# Altium PCB PCB_Kasli.PCBDOC (part 16 of 16)
Units mm, origin at the board's own origin, x right, y up, seen from the top; angles counter-clockwise.
Board outline 200.3 x 100 mm, 6 copper layers (TopLayer, MidLayer1, MidLayer2, SignalLayer1, Internal Plane 1, BottomLayer), stack 1.528 mm thick; 775 components, 636 nets, 3136 pads, 1724 vias.
Unrouted connection lines stored in the file: 7.
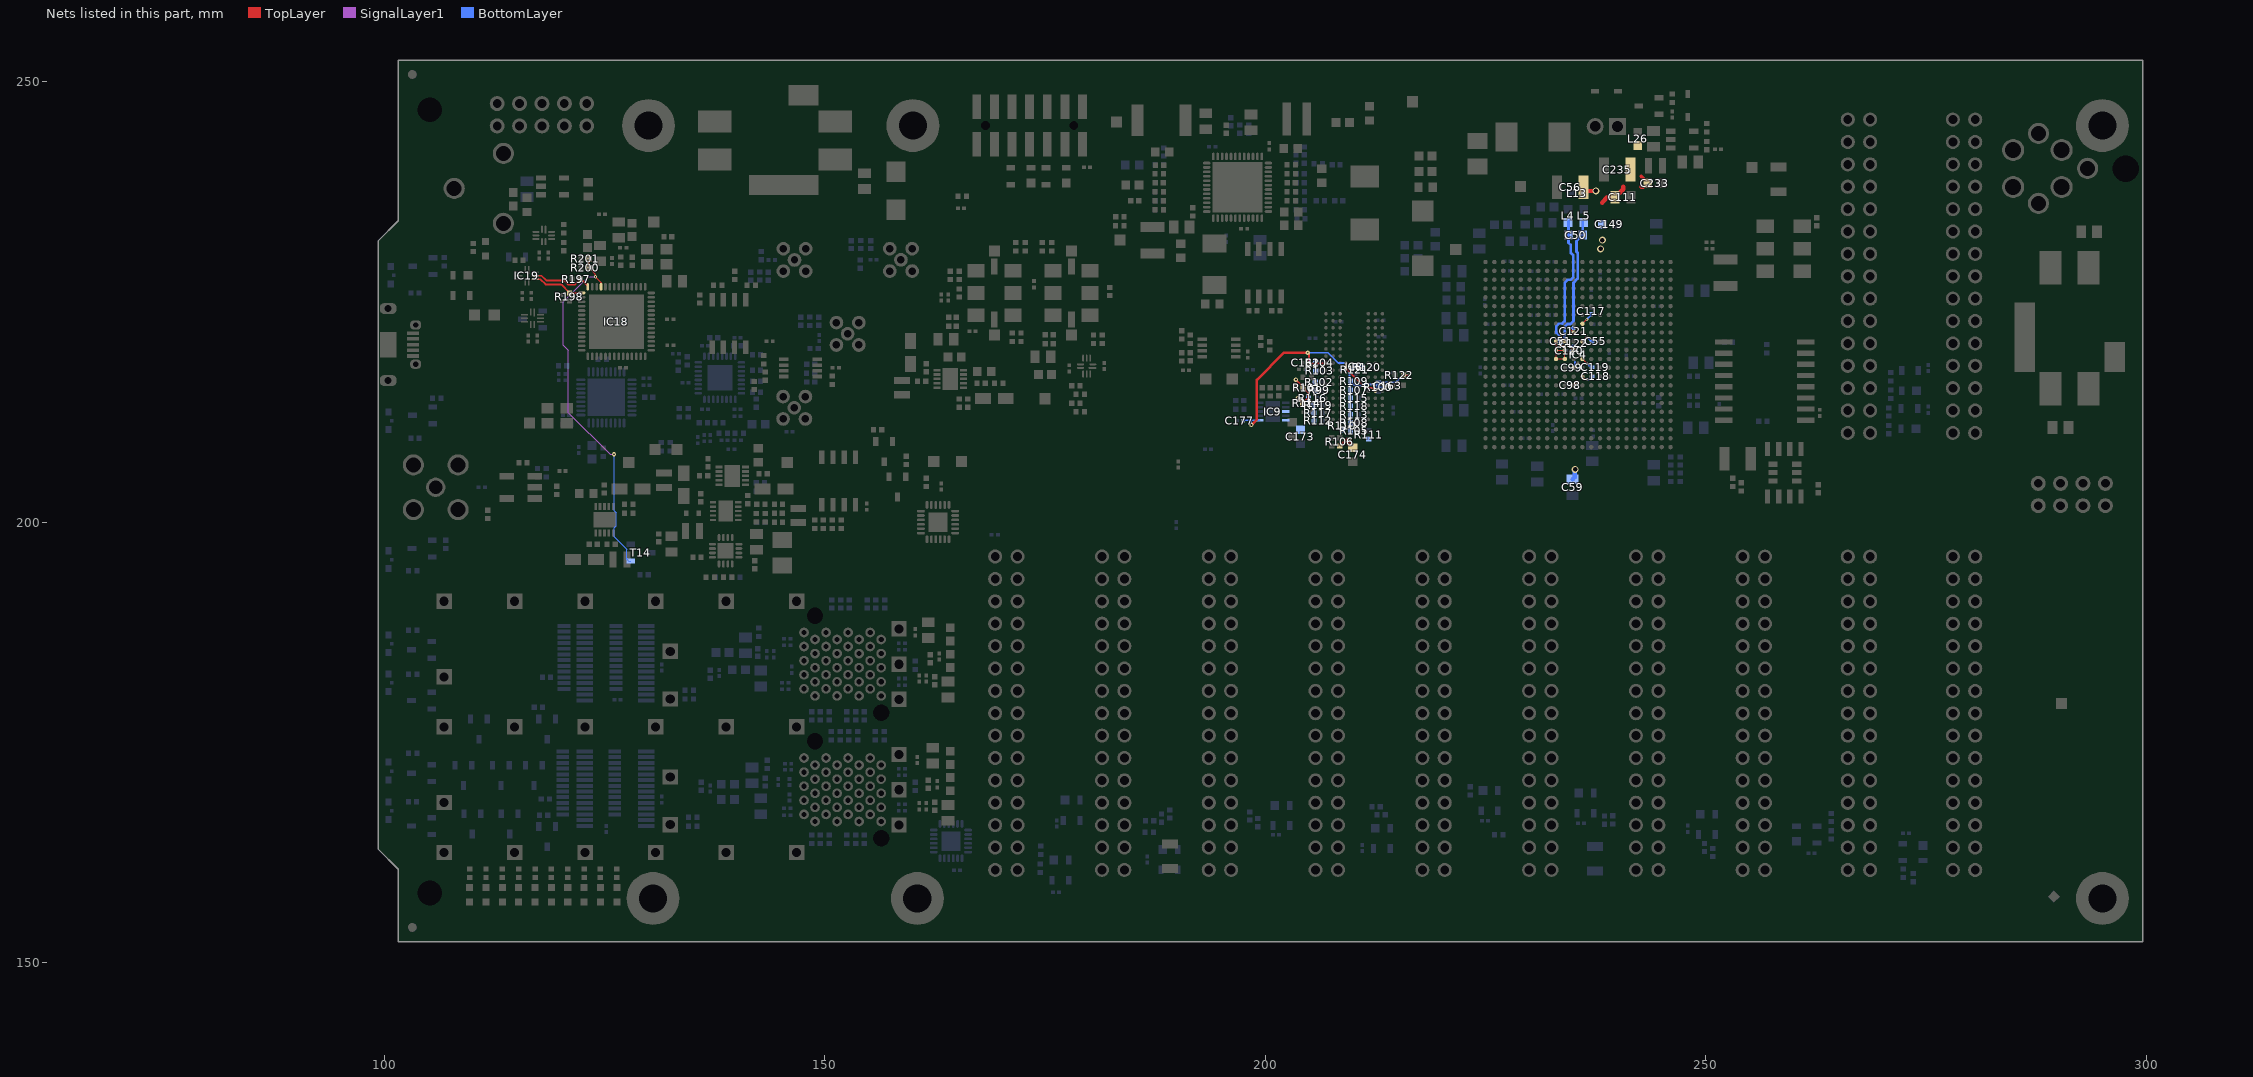
[diagram p20: the nets of this part, all layers, seen from the top]

## Via types
v1: diameter 0.5, hole 0.2, TopLayer to BottomLayer, tented both sides, 845 vias
v2: diameter 0.35, hole 0.15, TopLayer to BottomLayer, tented both sides, 612 vias
v3: diameter 0.8, hole 0.5, TopLayer to BottomLayer, tented both sides, 144 vias
v4: diameter 0.8, hole 0.5, TopLayer to BottomLayer, 66 vias
v5: diameter 0.5, hole 0.2, TopLayer to BottomLayer, 57 vias

## Nets (pads, with @x,y where several pads share a name; then routed paths per layer and width w, separated by ;. In a path a pad name is that pad's centre, name@x,y a point inside that pad or via, vN(x,y) a via of type N, cw(c..) or ccw(c..) an arc to the next point about the centre after c; other vN are vias at no path point) (continued)
USB_TDO_DI: IC18.14 IC19.9 R197.1 | length 7.1
  TopLayer w0.2: IC19.9@117.105,227.965 117.86,227.965 118.397,227.428 120.425,227.428 120.904,226.949 121.628,226.949 R197.1@122.263,227.584 122.366,227.584 123.115,226.835 IC18.14@123.115,226.708
USB_TMS: IC18.15 IC19.8 R198.1 | length 6
  TopLayer w0.2: IC19.8@117.105,227.565 117.729,227.565 118.319,226.975 120.078,226.975 R198.1@121.031,226.022 121.045,226.008 IC18.15@122.415,226.008
VCCAUX: C55.2 C59.2 C98.2 C111.2 C117.2 C118.2 C119.2 C233.2 C235.2 IC4.H12 IC4.K12 IC4.M12 IC4.P12 IC4.R11 L26.2 | length 13.2
  TopLayer w0.125: IC4.R11@234.991,215.515 235.312,215.835 v2(235.405,215.835) ; IC4.P12@235.991,216.515 236.316,216.19 v2(236.503,216.19) ; IC4.M12@235.991,218.515 v2(236.491,218.015) ; IC4.K12@235.991,220.515 v2(236.491,221.015) ; IC4.H12@235.991,222.515 v2(236.491,223.015)
  TopLayer w0.3: 242.572,238.05 242.651,237.971 242.921,237.971 243.025,238.075 243.075,238.075 243.4,238.4 C233.2@243.4,238.45
  TopLayer w0.4: 242.671,239.229 243.4,238.5 C233.2@243.4,238.45
  TopLayer w0.508: 238.219,236.25 238.819,236.85 239.069,236.85 ; C111.2@239.694,236.85 240.619,237.775 240.619,238.05
  BottomLayer w0.2: C98.2@234.973,215.528 235.004,215.528 235.312,215.835 v2(235.405,215.835) ; v2(236.491,218.015) 236.956,217.55 C119.2@237.119,217.55 ; v2(236.491,221.015) 237.006,220.5 C55.2@237.144,220.5 ; v2(236.491,223.015) 236.969,223.493 C117.2@236.969,223.6 ; v2(236.503,216.19) 236.809,216.19 C118.2@237.144,216.525
  BottomLayer w0.508: C59.2@234.869,204.85 235.099,205.08 235.099,205.934 v3(235.155,205.989)
  other v3: 238.063,231 238.25,232
VCCBRAM: C56.2 C99.2 C120.2 C121.2 C122.2 C149.2 IC4.J11 IC4.L11 IC4.N11 L13.2 | length 5.8
  TopLayer w0.125: v2(234.491,220.015) IC4.L11@234.991,219.515 ; v2(234.491,222.015) IC4.J11@234.991,221.515 ; IC4.N11@234.991,217.515 235.487,218.011 v2(235.487,218.043)
  TopLayer w0.5: C56.2@236.2,237.575 237.494,237.575 v3(237.519,237.6)
  BottomLayer w0.2: v2(234.491,220.015) 234.954,220.015 C122.2@235.019,219.95 ; v2(234.491,222.015) 234.904,222.015 C121.2@234.994,221.925 ; 235.144,218.175 C99.2@235.144,217.5 235.669,217.5
VREF_DDR3: C162.2 C163.2 C177.2 IC8.H1 IC8.M8 IC9.6 | length 30
  TopLayer w0.125: IC8.M8@212.486,214.846 IC8.M8@212.486,214.849
  TopLayer w0.2: v1(204.819,219.225) 204.944,219.1 C162.2@204.944,218.075 ; C162.2@204.994,218 IC8.H1@206.837,218 ; v2(209.144,218.05) 209.144,217.445 v2(211.329,215.26) 211.525,215.26 211.847,215.26 212.075,215.26 IC8.M8@212.486,214.849 ; IC8.M8@212.486,214.846 212.488,214.847 IC8.M8@212.499,214.858
  TopLayer w0.3: v1(198.419,211.025) 199.044,211.65 199.044,216.15 202.119,219.225 v1(204.819,219.225)
  BottomLayer w0.18: 212.335,215.206 212.44,215.31 213.405,215.31 C163.2@213.569,215.475
  BottomLayer w0.2: C177.2@197.519,211.55 198.394,211.55 ; v1@198.394,211.05 198.394,211.55 ; IC9.6@199.344,211.55 198.394,211.55 ; v1(204.819,219.225) 206.193,219.225 206.194,219.224 207.12,219.224 208.294,218.05 v2(209.144,218.05) ; v2@211.384,215.206 212.335,215.206
VTT_DDR3: C173.2 C174.2 IC9.3 IC9.5 R99.2 R100.2 R101.2 R102.2 R103.2 R104.2 R105.2 R106.2 R107.2 R108.2 R109.2 R110.2 R111.2 R112.2 R113.2 R114.2 R115.2 R116.2 R117.2 R118.2 R119.2 R120.1 R121.1 R122.1 | length 27.3
  TopLayer w0.2: v1(203.469,216.175) 204.299,215.345 R101.2@204.299,215.25 204.844,214.705 204.844,214.095 R114.2@204.249,213.5 v1(203.674,214.075) ; R122.1@215.664,216.675 v2(216.294,216.675)
  TopLayer w0.3: R106.2@208.469,208.63 209.264,209.425 v1(209.544,209.425) ; 209.144,209.125 209.544,209.125
  TopLayer w0.5: v1(209.544,209.425) 209.544,209.125 209.544,208.825 C174.2@209.919,208.45
  BottomLayer w0.15: 205.007,217.839 205.008,217.841 205.008,218.079 205.013,218.075 R104.2@205.724,218.075 R103.2@205.724,217.15
  BottomLayer w0.2: R109.2@209.649,215.975 210.148,215.476 210.944,215.476 211.153,215.685 211.878,215.685 211.953,215.61 212.824,215.61 R100.2@212.824,215.781 212.917,215.875 214.825,215.875 215.625,216.675 v2(216.294,216.675)
  BottomLayer w0.25: R112.2@205.524,211.475 R117.2@205.524,212.375 R119.2@205.524,213.25 ; R109.2@209.544,216.005 209.544,217.145 R121.1@210.144,217.745 R120.1@210.904,217.745 ; R105.2@209.649,210.375 R108.2@209.649,211.275 R113.2@209.649,212.2 R118.2@209.649,213.125 R115.2@209.649,214.05 R107.2@209.649,214.975 R109.2@209.649,215.9
VUSB_PRESENT: IC18.11 R200.2 R201.2 T14.1 | length 41.8
  TopLayer w0.125: R201.2@123.279,229.87 R200.2@123.279,228.854 123.983,228.15 v2(123.983,227.846) ; v2@123.95,227.881 v2(123.983,227.846) ; IC18.11@124.615,226.708 124.615,227.175 123.944,227.846 v2(123.983,227.846)
  SignalLayer1 w0.125: v2(123.983,227.846) 123.171,227.846 120.35,225.025 120.35,220.075 120.9,219.525 120.9,212.425 125.638,207.687 v1(126.087,207.687)
  BottomLayer w0.125: v1(126.087,207.687) 126.087,201.3 126.312,201.075 126.312,199.608 126.087,199.383 126.087,198.348 127.537,196.898 127.537,195.812 127.775,195.575 T14.1@127.975,195.575
XADC_GND: C50.1 C51.1 IC4.K9 IC4.L9 IC4.L10 IC4.M9 IC4.M10 L5.2 | length 21.4
  TopLayer w0.125: IC4.K9@232.991,220.515 IC4.L9@232.991,219.515 ; IC4.M10@234.019,218.5 IC4.M10@234.004,218.515 ; IC4.L9@232.991,219.515 IC4.L10@233.991,219.515 233.991,218.528 IC4.M10@234.004,218.515 ; IC4.L9@232.991,219.515 IC4.M9@232.991,218.515 IC4.M10@233.991,218.515 IC4.M10@234.004,218.515
  TopLayer w0.2: v2(233.506,220) 233.819,220 233.994,219.825 233.991,219.822 IC4.L10@233.991,219.515
  BottomLayer w0.2: v2(233.506,220) 233.506,220.059 233.924,220.477 C51.1@233.966,220.525
  BottomLayer w0.3: C51.1@233.966,220.525 233.966,222.162 234.295,222.49 234.638,222.49 234.969,222.821 234.969,227.15 235.458,227.639 235.458,230.559 235.321,230.696 235.321,231.905 236.019,232.604 L5.2@236.019,234.102
XADC_VCC: C50.2 C51.2 IC4.K10 L4.2 | length 16.1
  TopLayer w0.125: v2(233.48,221.036) 233.48,221.026 IC4.K10@233.991,220.515
  BottomLayer w0.2: C51.2@233.169,220.568 233.48,220.879 v2(233.48,221.036)
  BottomLayer w0.27: 233.016,221.499 233.016,222.212 233.345,222.54
  BottomLayer w0.28: 233.016,221.499 v2(233.48,221.036) ; 233.345,222.54 233.688,222.54
  BottomLayer w0.3: C51.2@233.169,220.525 C51.2@233.169,220.568 ; 233.688,222.54 233.966,222.818 233.966,227.162 234.295,227.49 234.638,227.49 234.966,227.818 234.966,230.248 234.667,230.548 234.667,231.425 234.417,231.675 234.417,234 234.417,234.1 L4.2@234.457,234.14
pads on no net: FTG1.FTG2 FTG2.1 FTG3.FTG2 FTG4.FTG2 FTG5.FTG2 FTG6.1 IC1.9 IC1.11 IC1.12 IC1.13 IC1.14 IC2.2 IC2.3 IC2.4 IC2.9 IC2.11 IC2.12 IC2.13 IC2.14 IC2.15 IC2.27 IC2.30 IC2.33 IC2.34 IC2.35 IC3.4 IC4.E3 IC4.F4 IC4.F21 IC4.P15 IC4.R14 IC4.T3 IC4.T16 IC4.U16 IC4.Y17 IC5.7 IC8.J1 IC8.J9 IC8.L1 IC8.L9 IC8.M7 IC10.4 IC11.4 IC16.3 IC16.4 IC16.5 IC16.6 IC16.11 IC16.12 IC16.13 IC18.17 IC18.18 IC18.19 IC18.20 IC18.25 IC18.26 IC18.29 IC18.30 IC18.34 IC18.35 IC18.37 IC18.38 IC18.39 IC18.40 IC18.54 IC21.7 IC24.11 IC24.14 IC24.19 IC25.11 IC25.14 IC25.19 IC26.4 IC31.7 J8.12 J8.14 J8.15 J8.16 J19.MECH1 J19.MECH2 J19.MECH3 J19.MECH4 J20.5 J23.4 J23.PastePad LD11.3 LD13.3 LD14.3 LD15.3 LD16.3 LD17.3 LD18.3 OSC2.1

## Polygon pours and split planes (outlines as drawn)
P2V5 on MidLayer1 "P2V5_L02_P365" (solid, remove dead copper, pour order 365): 214.253,242.5 218.461,238.282 231.06,238.282 245.56,238.282 245.56,236.682 257.25,236.682 257.25,240.5 281.5,240.641 281.25,216.25 264,216.25 264,198.75 282.5,198.75 282.5,167.771 282.5,166.5 281.594,165.5 240.25,165.5 240.25,167.771 212.528,167.771 169.346,167.839 169.346,201.5 174.257,206.411 196.689,206.411 198.31,208.032 218.155,208.032 225.335,215.212 228.56,215.282 228.56,212.294 229.322,212.294 229.545,212.032 229.545,209.276 230.6,209.276 230.6,208.8 230.3,208.8 230.3,206.779 231.8,206.779 231.8,212.8 231.4,212.8 231.4,213.367 234.8,213.367 234.8,212.294 233.809,212.294 233.784,205.288 236.81,205.288 236.81,211.281 237.807,211.279 237.81,213.532 236.5,213.532 236.5,215.538 236.81,215.538 236.81,224.532 235.81,224.532 235.81,225.782 237.329,225.782 237.329,228.801 238.81,230.282 238.81,232.75 209,232.75 209,242.5
P3V3 on MidLayer1 "P3V3_L02_P366" (solid, remove dead copper, pour order 366): 240.1,168.25 240.1,162.75 234.375,162.75 234.375,163.5 188.5,163.5 174,163.5 167,163.5 167,155.423 100.963,155.423 100.887,250.9 182.162,250.9 182.162,231.833 196.745,217.25 199.25,217.25 199.25,214.745 199.25,208.268 198.602,208.268 196.745,206.411 174.257,206.411 169.325,201.479 169.325,170.925 172,168.25
P1V5 on MidLayer1 "P1V5_L02_P367" (solid, pour order 367): 182.25,239 182.25,232.25 197.263,217.238 198.9,217.238 199.75,216.388 199.75,214.75 199.75,207.995 215.348,208 219.049,207.969 226.33,215.25 229.787,215.25 229.825,222.425 229.619,222.631 229.619,223.025 226.75,223.05 226.75,225.25 225.25,226.813 225.25,230 219.75,230 219,230.75 219,232.535 191.25,232.75 191.25,239
P12V0 on MidLayer1 "P12V0_L02_P359" (solid, pour order 359): 225.581,241.919 222.875,244.625 194.65,244.625 191.5,241.475 191.5,239.25 182.5,239.25 176.875,233.625 155.75,233.5 150,239.25 150,250.7 297.75,250.7 297.75,160.25 291.25,160.25 291.25,155.423 167.25,155.423 167.25,163.246 173.739,163.246 188.748,163.246 234.5,163.246 234.5,162.498 240.25,162.498 240.25,165.5 281.5,165.5 282.75,166.75 282.75,198.75 264.25,198.75 264.25,216.25 281.236,216.25 281.5,240.641 257.25,240.75 257.25,242
P12V0_SMPS on MidLayer1 "P12V0_SMPS_L02_P358" (solid, remove dead copper, pour order 358): 191.5,232.75 191.5,241.15 194.85,244.5 222.8,244.5 222.8,241.896 215.108,241.892 211.1,241.9 208.5,239.3 208.5,232.75
P3V3 on MidLayer1 "P3V3_L02_P362" (solid, pour order 362): 234.165,236.75 257,236.75 257,242.267 219.661,242.267 219.661,237.317 234.165,237.317
P3V3_USB on MidLayer1 "P3V3_USB_L02_P361" (solid, pour order 361): 121.125,236.875 116.25,232 116.25,220.5 122.5,220.5 122.5,215.794 147.812,215.794 147.812,234.812 145.75,236.875
P1V0 on MidLayer1 "P1V0_L02_P368" (solid, remove dead copper, pour order 368): 228.684,211.808 229.184,211.808 229.684,211.308 229.684,209.3 230.6,209.3 230.6,208.8 230.4,208.8 230.4,206.9 231.7,206.9 231.7,213.7 233.684,213.7 233.684,222.558 233.57,225.015 230.4,225.015 230.4,225.6 229.25,226.75 229.25,233.25 219.278,233.25 219.278,230 225.5,230 225.5,226.742 226.75,225.25 226.75,223.05 229.619,223.025 229.619,222.623 229.821,222.421 229.787,215.041 228.684,214.558
P3V3_ADCLK on MidLayer1 "P3V3_ADCLK_L02_P360" (solid, pour order 360): 136.5,222.25 136.5,210.75 140.5,210.75 143,210.75 143,214.75 140.5,217.25 140.5,222.25
MGTAVCC on MidLayer1 "MGTAVCC_L02_P364" (solid, pour order 364): 232.556,233.25 229.25,233.25 229.25,226.75 230.4,225.6 230.4,225 233.584,225 233.587,225.375 233.578,232.228
VCCAUX on MidLayer1 "VCCAUX_L02_P363" (solid, pour order 363): 238.75,232.862 233.829,232.862 233.829,215.855 233.829,213.5 234.8,213.2 234.8,212.2 233.829,212.2 233.829,209.112 233.829,205.362 236.537,205.362 236.537,211.25 237.809,211.25 237.809,213.5 236.48,213.5 236.48,215.52 236.672,215.52 236.75,224.112 235.811,224.112 235.81,225.862 237.25,225.862 237.25,229.04 238.75,230.54
no net on TopLayer "BAL_TOP" (solid, pour order 396): 107.696,250.673 298,250.673 298,155.626 107.696,155.626 107.696,160.6 104.374,160.6 101.325,163.649 101.325,231.15 103.812,233.637 103.812,244.4 107.696,244.4
NetC3_2 on TopLayer "NETC3_2_L01_P394" (solid, remove dead copper, pour order 394): 136.5,200.905 136.5,199.25 136.75,199 138.75,199 139.25,198.5 139.25,197.75 139.5,197.75 139.75,197.5 139.75,196.25 141.5,196.25 141.5,197.5 143,197.5 147.75,197.5 147.875,197.625 147.875,200.35 145.75,200.35 145.75,199.75 145.175,199.175 141.45,199.175 140.625,200 138.25,200 138,200.25 138,200.905
GND on TopLayer "GND_L01_P390" (solid, remove dead copper, pour order 390): 254.75,208.75 255.25,209.25 261.25,209.25 262.75,207.75 262.75,207 262.5,206.75 260.5,206.75 260.5,204.25 258.5,204.25 258.5,206.25 258,206.75 257.25,206.75 256.5,206 254.75,206
P12V0 on TopLayer "P12V0_L01_P357" (solid, remove dead copper, pour order 357): 290.5,217.75 297.75,217.75 297.75,210.25 290.5,210.25
P3V3_LDO1 on TopLayer "P3V3_LDO1_L01_P353" (solid, pour order 353): 121.75,207.25 128.75,207.25 128.75,206 127.5,204.75 124.75,204.75 124.75,202.805 124.445,202.5 123,202.5 123,204.25 121.75,205.5
P3V3_LDO2 on TopLayer "P3V3_LDO2_L01_P352" (solid, pour order 352): 141.75,204.5 146.75,204.5 146.75,208 144.75,210 141.75,210
P2V5_LDO on TopLayer "P2V5_LDO_L01_P351" (solid, remove dead copper, pour order 351): 164.75,219.75 164.75,218 165.5,217.25 165.5,216.75 168.75,216.75 169,216.5 170.25,216.5 171,215.75 175.25,215.75 175.25,217.75 171,217.75 169,219.75
NetC202_2 on TopLayer "NETC202_2_L01_P350" (solid, remove dead copper, pour order 350): 118.75,240.75 112.75,240.75 112.75,236.25 118.75,236.25
P12V0 on TopLayer "P12V0_L01_P346" (solid, remove dead copper, pour order 346): 148.75,247 148.75,243.819 148.819,243.75 153.25,243.75 154,243 154,233.5 164,233.5 164,250.25 151.75,250.25
NetC145_2 on TopLayer "NETC145_2_L01_P337" (solid, pour order 337): 195,226.5 189.711,226.5 186.461,229.75 186.461,232.232 192.768,232.232 195,230
VCCAUX on TopLayer "VCCAUX_L01_P336" (solid, remove dead copper, pour order 336): 242.937,243.539 237.687,243.539 237,242.852 237,230.357 242.937,230.357
NetC153_2 on TopLayer "NETC153_2_L01_P335" (solid, pour order 335): 184.25,248 184.25,237 187.808,237 187.808,248
NetC134_1 on TopLayer "NETC134_1_L01_P334" (solid, pour order 334): 207,235.5 207,233.25 200.279,233.25 199.689,233.25 198.839,234.1 198.839,234.961 197.7,234.961 197.7,231.9 199.875,231.9 199.875,229 213.75,229 213.75,235.5
NetC126_2 on TopLayer "NETC126_2_L01_P333" (solid, pour order 333): 215.25,241 207.965,241 203.416,236.474 203.429,236.461 203.429,233.426 206.75,233.426 206.75,235.737 218,235.737 218,242.2 215.25,242.2
NetC302_1 on TopLayer "NETC302_1_L01_P356" (solid, pour order 356): 291.25,231.5 287.25,231.5 287.25,224.5 289.25,222.5 298,222.5 298,238 289.75,246.25 286.25,246.25 286.25,242 287.75,240.5 287.75,238.25 292.25,233.75 292.75,233.75 295.25,231.25 295.25,226.25 291.25,226.25
P5V0_CLK on TopLayer "P5V0_CLK_L01_P354" (solid, pour order 354): 133,204.75 130.5,204.75 130.5,200.75 126.75,197 126.75,194.25 129.25,194.25 132.5,197.5 133.65,197.5 133.65,201.1 133,201.75
NetC155_1 on TopLayer "NETC155_1_L01_P344" (solid, remove dead copper, pour order 344): 188,240 188,237 191.75,237 194.75,240
P12V0_SMPS on TopLayer "P12V0_SMPS_L01_P343" (solid, remove dead copper, pour order 343): 194.25,235.5 194.25,233.25 191.25,233.25 191.25,235.5
P2V5 on TopLayer "P2V5_L01_P341" (solid, remove dead copper, pour order 341): 214.925,246.1 214.925,240.075 212.8,240.075 212.8,241.175 209,241.175 209,246.1
NetC143_1 on TopLayer "NETC143_1_L01_P340" (solid, remove dead copper, pour order 340): 203,247.75 203,243.25 200.75,243.25 198.75,241.25 198.25,241.25 198.25,247.75
NetC140_1 on TopLayer "NETC140_1_L01_P339" (solid, pour order 339): 196.75,235 194,235 194,233.25 192.75,233.25 192.75,231 194.7,231 196,229.7 199.875,229.7 199.875,232.1 197.05,232.1 196.75,232.4
P3V3_USB on TopLayer "P3V3_USB_L01_P338" (solid, pour order 338): 124.75,234.5 119.476,234.5 119.476,239.602 124.75,239.602
NetC135_2 on TopLayer "NETC135_2_L01_P332" (solid, pour order 332): 208.458,248.25 203.25,248.25 203.25,238.252 204.724,238.252 208.458,241.986 208.458,245.034
NetC303_2 on TopLayer "NETC303_2_L01_P395" (solid, remove dead copper, pour order 395): 137.75,200.977 137.75,201.75 136.75,201.75 136.75,202.5 135.75,202.5 135,201.75 135,197 135.75,196.25 137.75,196.25 137.75,197 136.5,198.25 136.5,200.977
P3V3 on TopLayer "P3V3_L01_P342" (solid, remove dead copper, pour order 342): 221.94,236.342 218.44,236.342 218.44,242.3 221.94,242.3
P1V0 on TopLayer "P1V0_L01_P349" (solid, remove dead copper, pour order 349): 222.197,232.421 222.197,230.296 219.322,227.421 216.197,227.421 215.872,227.746 215.872,231.846 216.947,232.921 221.697,232.921
P3V3 on TopLayer "P3V3_L01_P345" (solid, remove dead copper, pour order 345): 255.501,239.7 255.501,236.45 259.251,236.45 259.251,239.7
NetC302_2 on TopLayer "NETC302_2_L01_P355" (solid, pour order 355): 291.25,226.25 295.25,226.25 295.25,231.25 292.75,233.75 292.25,233.75 287.75,238.25 287.75,240.5 286.25,242 286.25,244.25 282.5,244.25 282.5,236.5 287.25,231.75 290.5,231.75 291.25,231
NetC301_2 on TopLayer "NETC301_2_L01_P347" (solid, pour order 347): 133.5,249 141.5,249 141.5,243.4 133.5,243.4
NetC301_1 on TopLayer "NETC301_1_L01_P348" (solid, pour order 348): 133.5,243.2 141.5,243.2 141.5,238.5 133.5,238.5
no net on BottomLayer "BAL_BOT" (solid, pour order 393): 107.696,250.925 298.25,250.925 298.25,160.503 291.25,160.503 291.25,155.423 108.306,155.423 108.229,155.499 108.204,155.524 108.204,157.799 108.204,160.452 108.153,160.503 108.077,160.579 101.1,160.579 101.4,231.1 104,233.7 104,244.323 107.696,244.323
NetC23_2 on BottomLayer "NETC23_2_L06_P383" (solid, pour order 383): 122.75,212.25 121.031,212.25 121.031,209.5 122.25,208 124.25,208 125.75,210.25 125.75,211.75
P3V3 on BottomLayer "P3V3_L06_P389" (solid, pour order 389): 255.5,240.25 255.5,236 258.25,233.25 281,233.25 281.5,232.75 281.5,218.67 280.57,217.74 280.56,217.75 261.75,217.75 261.75,208 281.5,208 281.5,172.25 276.75,172.25 271.5,167 271.5,161 273,159.5 273,158.25 288.125,158.25 288.125,234.125 282,240.25
P3V3_ADCLK on BottomLayer "P3V3_ADCLK_L06_P388" (solid, remove dead copper, pour order 388): 137.25,221.5 140.25,221.5 140.25,219.5 136.25,219.5 136.25,220.25 137.25,221.25
P2V5 on BottomLayer "P2V5_L06_P386" (solid, remove dead copper, pour order 386): 215.2,249.275 194.225,249.275 192.2,247.25 163.725,247.25 152.475,236 118.75,236 107.25,236 107.25,219.25 119.25,219.25 119.25,231.25 153.75,231.25 160.75,238.25 181.5,238 186,242.5 215.2,242.5
VTT_DDR3 on BottomLayer "VTT_DDR3_L06_P385" (solid, pour order 385): 206.219,218.348 205.419,218.348 205.194,218.123 203.094,216.198 203.219,214.323 203.044,212.773 202.194,212.773 201.919,212.498 201.919,211.223 203.269,209.873 204.569,209.873 206.819,207.623 210.919,207.623 212.244,208.948 212.194,208.998 212.194,209.848 210.369,209.848 210.119,210.098 210.119,217.148 211.244,217.148 211.469,217.373 211.444,217.398 211.444,217.898 211.319,218.023 209.794,218.023
VCCBRAM on BottomLayer "VCCBRAM_L06_P384" (solid, pour order 384): 236.72,225.551 238.848,228.577 238.848,238.077 234.348,238.077 234.348,217.077 236.72,217.077
P3V3 on BottomLayer "P3V3_L06_P382" (solid, remove dead copper, pour order 382): 222.021,242.162 222.021,237.271 218.375,233.625 193,233.625 193,238.25 186.75,238.25 186.75,232.207 180.525,232.207 180.525,237.271 183.254,240 185.207,240 190.5,240 196.4,245.9 208.626,245.9 212.642,242.162
MGTAVTT on BottomLayer "MGTAVTT_L06_P379" (solid, pour order 379): 233.5,231.25 233.5,236.25 231.75,236.25 231.75,231.75 231,231.75 231,231.25 227,231.25 227,227.25 234.75,227.25 234.75,230
NetC145_2 on BottomLayer "NETC145_2_L06_P378" (solid, remove dead copper, pour order 378): 216.5,225.7 216.5,228.25 222.25,232.75 227.25,232.75 227.25,234 228.5,234 231.25,236.75 235.25,236.75 235.25,238 229,238 226.75,235.75 220.75,235.75 219,234 200.9,234 200.9,229.293 194,229.293 194,225.7
P1V0 on BottomLayer "P1V0_L06_P376" (solid, remove dead copper, pour order 376): 221.535,226.787 217.098,226.787 217.098,232.037 224.469,232.037 226.3,232.037 226.3,230.3 234.522,222.477 234.522,213.333 223.348,213.333 223.348,212.037 221.535,212.037
NetC145_2 on BottomLayer "NETC145_2_L06_P380" (solid, pour order 380): 189.75,231.25 186.995,231.25 186.995,237 188.239,237 188.239,235 189.5,235 189.75,234.75
MGTAVCC on BottomLayer "MGTAVCC_L06_P377" (solid, remove dead copper, pour order 377): 226.75,234.25 226.75,231.471 231.75,231.471 231.75,233 230.5,234.25
P12V0 on BottomLayer "P12V0_L06_P387" (solid, remove dead copper, pour order 387): 160.75,238.25 164.25,238.25 165.075,237.425 165.075,225.125 160,220.05 160,211.75 150,201.75 146.25,201.75 146.25,203 157,213.75 157,221.3 162.55,226.85 162.55,231.95 160.75,233.75
P1V5 on BottomLayer "P1V5_L06_P375" (solid, remove dead copper, pour order 375): 223.971,222.396 221.667,222.396 221.721,229.029 222.971,229.029 223.971,228.029
NetC150_1 on BottomLayer "NETC150_1_L06_P381" (solid, remove dead copper, pour order 381): 188,238 188,235 189.194,235 189.576,236.25 192.75,236.25 192.75,238
no net on SignalLayer1 "ML1_BAL" (solid, pour order 392): 107.696,250.755 263.466,250.755 263.518,166.768 260.25,163.5 169.25,163.5 167.75,163.5 167.75,155.5 107.696,155.5 107.696,160.503 104.497,160.503 101.4,163.6 101.4,231.1 103.9,233.6 103.9,244.323 107.696,244.323
P12V0 on SignalLayer1 "P12V0_L04_P371" (solid, remove dead copper, pour order 371): 264.25,250.75 298,250.75 298,160.25 291.964,155.423 168.25,155.423 168.25,163.25 260.778,163.528 264.25,167
NetC301_1 on SignalLayer1 "NETC301_1_L04_P372" (solid, remove dead copper, pour order 372): 103,251.765 103,230.399 142.1,230.269 142.1,251.799
P3V3 on SignalLayer1 "P3V3_L04_P373" (solid, remove dead copper, pour order 373): 222.021,242.191 222.021,234.29 219.939,232.207 180.525,232.207 180.525,250.75 205.52,250.75 214.75,242.191
no net on MidLayer2 "ML2_BAL" (solid, pour order 397): 100.925,250.496 298.5,250.72 298.5,155.554 100.925,155.332
P12V0 on MidLayer2 "P12V0_L03_P370" (solid, remove dead copper, pour order 370): 159.75,241.5 168.75,250.5 232,250.5 236.75,245.75 236.75,241.9 225.6,241.9 222.75,244.75 194.75,244.75 191.25,241.25 191.25,239.25 182.5,239.25 176.75,233.5 159.75,233.5
NetC301_2 on MidLayer2 "NETC301_2_L03_P369" (solid, remove dead copper, pour order 369): 107.25,251.186 107.25,239.5 120.5,226.25 141.1,226.25 141.1,251.216
P5V0_CLK on MidLayer2 "P5V0_CLK_L03_P391" (solid, remove dead copper, pour order 391): 132.5,200.75 135,203.25 138.75,203.25 142,200 142,198.75 141.75,198.5 134,198.5 132.5,200
GND on Internal Plane 1 (split plane): 299.09,152.91 102.11,152.91 102.11,160.6 102.101,160.7 102.072,160.795 102.024,160.884 101.961,160.961 99.81,163.111 99.81,216.839 100.84,216.839 100.939,216.849 100.997,216.867 101.035,216.878 101.109,216.909 101.12,216.915 101.197,216.956 101.214,216.97 101.274,217.019 101.33,217.076 101.383,217.14 101.394,217.153 101.414,217.191 101.441,217.241 101.472,217.315 101.501,217.411 101.507,217.474 101.51,217.51 101.51,218.04 101.507,218.075 101.501,218.139 101.472,218.235 101.441,218.309 101.414,218.359 101.394,218.397 101.383,218.41 101.33,218.474 101.274,218.53 101.224,218.572 101.197,218.594 101.159,218.614 101.109,218.641 101.035,218.672 100.968,218.692 100.939,218.701 100.876,218.707 100.84,218.71 99.81,218.71 99.81,221.589 100.84,221.589 100.939,221.599 100.997,221.617 101.035,221.628 101.109,221.659 101.12,221.665 101.197,221.706 101.214,221.72 101.274,221.769 101.33,221.826 101.383,221.89 101.394,221.903 101.414,221.941 101.441,221.991 101.472,222.065 101.501,222.161 101.507,222.224 101.51,222.26 101.51,222.79 101.507,222.825 101.501,222.889 101.472,222.985 101.441,223.059 101.414,223.109 101.394,223.147 101.383,223.16 101.33,223.224 101.274,223.28 101.224,223.322 101.197,223.344 101.159,223.364 101.109,223.391 101.035,223.422 100.968,223.442 100.939,223.451 100.876,223.457 100.84,223.46 99.81,223.46 99.81,231.689 101.961,233.839 102.024,233.916 102.072,234.005 102.101,234.1 102.11,234.2 102.11,251.889 299.09,251.889

## Keep-outs
KeepOutLayer:
  lines w0.203: 103.9,244.3 103.9,233.6 101.4,231.1 101.4,163.6 102.8,162.2 104.497,160.503 107.696,160.503 107.696,155.423 298,155.423 298,250.75 107.696,250.75 107.696,244.323 103.923,244.323

## Other copper
TopLayer:
  rectangle net NetC155_1: 192.5,238.8 192.8,239.25
  pour cut-out: 194.1,234.498 194.1,233.969 195.25,233.969 195.25,234.5
  pour cut-out: 192.8,238.1 192.8,239.5 193.6,239.5 193.6,238.1
MidLayer1:
  pour cut-out: 201.2,241.839 201.364,242.003 201.597,242.003 201.7,241.9 201.7,241.807 201.58,241.688 201.411,241.688
  pour cut-out: 207.676,239.956 207.873,239.906 207.873,239.781 207.736,239.643 207.676,239.643
  pour cut-out: 230.25,237.25 230.25,236.75 231.75,236.75 231.75,237.25
  pour cut-out: 157.45,174.025 157.625,173.85 157.625,173.675 157.45,173.675
MidLayer2:
  rectangle net P2V5: 213.005,240.303 214.922,242.02
  pour cut-out: 196.685,247.068 196.45,246.833 195.6,246.833
  pour cut-out: 201.407,241.215 201.412,241.21 201.412,240.838 201.988,240.838 201.984,240.843 201.984,241.215
  pour cut-out: 125.123,233.344 125,233.344 125,232.818 125.344,232.818 125.344,233.123
  pour cut-out: 125.454,235.679 125.331,235.679 125.331,235.153 125.675,235.153 125.675,235.458
SignalLayer1:
  pour cut-out: 194.662,241.987 194.662,241.08 cw(c194.328,241.08) 194.564,240.845 195.707,240.845 ccw(c194.231,240.845) 195.275,241.888 195.201,241.962
  pour cut-out: 192.19,248.1 197.12,248.1 cw(c196.994,243.698) 200.197,246.722 192.81,246.722 cw(c192.81,247.599) 192.19,246.979
  pour cut-out: 145,190.5 145,174 144,173 142.5,174.5 142.5,179 140.25,181.25 140.25,190.5
  pour cut-out: 156,206.5 142.25,192.75 159,192.75 170.75,204.5 170.75,206.5
  pour cut-out: 199,228.5 199,222.25 182.75,206 182.75,213.5 197.75,228.5
  pour cut-out: 125.449,235.568 125.387,235.505 125.387,235.238 125.963,235.238 125.995,235.27 125.995,235.698
  pour cut-out: 194.598,242.935 194.598,242.627 194.662,242.563 195.018,242.563 195.167,242.713 195.167,243.029
BottomLayer:
  rectangle net P1V5: 222.457,222.818 223.168,223.123
  rectangle net GND: 219.714,214.131 220.515,214.512
  pour cut-out: 222.967,229.309 222.967,228.887 223.389,228.887 ccw(c222.387,228.307)
  pour cut-out: 128.9,212.575 128.9,212.3 128.725,212.3 128.725,212.575

## Silkscreen, mask and mechanical layers (free items; w line width, h text height)
TopOverlay:
  drawing of 1239 lines, arcs and shapes, not listed
  text "FPGA JTAG" at 169,249.5 h1
  text "EXT8" at 262.857,246.367 h1 r90
  text "EXT9" at 274.75,246.35 h1 r90
  text "12V" at 260,246.25 h1 r90
  text "Main" at 167.5,233.75 h1
  text "Helper" at 175.25,233.75 h1
  text "SCL" at 168.25,232.25 h0.8
  text "SCL" at 177,232.25 h0.8
  text "SDA" at 168.25,219.25 h0.8
  text "SDA" at 176.975,219.25 h0.8
  text "SDA" at 191.75,213.75 h1
  text "SCL" at 195,213.75 h1
  text "P2V5" at 172.7,211.4 h1
  text "Shared I2C" at 127.25,210.75 h1
  text "I2C SW" at 190.75,210.5 h1
  text "LDO" at 173.5,210.3 h1
  text "3V3" at 162.668,209.725 h1
  text "SW" at 166.168,209.725 h1
  text "SDA" at 128.75,209.25 h1
  text "SCL" at 132.25,209.25 h1
  text "I2C" at 159.168,209.225 h1
  text "SDA" at 160.918,208.225 h1
  text "SCL" at 164.168,208.225 h1
  text "P3V3 / LDO2" at 144.6,207.75 h1
  text "P3V3 LDO1" at 118.25,207.25 h1
  text "TP0" at 290.783,206.25 h1 r90
  text "TP1" at 293.317,206.25 h1 r90
  text "GND" at 295.85,206.25 h1 r90
  text "P3V3" at 282.4,203.9 h1
  text "Kasli v2.0.2" at 175.675,202.425 h1.6
  text "EXT0" at 168.5,201.75 h1
  text "GND" at 288.25,197.5 h1 r90
  text "TP2" at 290.783,197.5 h1 r90
  text "TP3" at 293.317,197.5 h1 r90
  text "EXT1" at 178.05,196.775 h1 r90
  text "EXT2" at 190.175,196.775 h1 r90
  text "EXT3" at 202.25,196.775 h1 r90
  text "EXT4" at 214.4,196.775 h1 r90
  text "EXT5" at 226.5,196.775 h1 r90
  text "EXT6" at 238.625,196.775 h1 r90
  text "EXT7" at 250.757,196.767 h1 r90
  text "EXT10" at 262.857,196.767 h1 r90
  text "EXT11" at 274.75,196.75 h1 r90
  text "P2V5" at 295.85,196.5 h1 r90
  text "FPGA / Testpoints / (2.5V IOLVL)" at 285.15,191 h1
  text "WUT ISE 2022" at 140.5,156.7 h1.02
  text "Designed by Pawel Kulik" at 140.052,155.8 h0.6
  text "0" at 127.4,155.7 h0.7 r90
  text "Licensed under CERN OHL v.1.2" at 138.05,154.6 h0.6
  text "DO NOT HOTPLUG EEMS" at 215.75,153.5 h1
  text "1V0" at 112,153.25 h0.8 r90
  text "1V2" at 113.75,153.25 h0.8 r90
  text "1V5" at 115.6,153.25 h0.8 r90
  text "1V8" at 117.5,153.25 h0.8 r90
  text "2V5" at 119.4,153.25 h0.8 r90
  text "3V3" at 121.25,153.25 h0.8 r90
  text "LED" at 126.5,153.2 h0.7 r90
  text "PWR / GOOD" at 110.75,153 h0.7 r90
  text "12V0" at 123,152.75 h0.8 r90
  text "USER" at 127.4,152.7 h0.7 r90
  text "FPGA / DONE" at 125.398,152.5 h0.7 r90
Mechanical1:
  lines w0.15: 99.3,162.9 99.3,231.9 101.6,234.2 101.6,252.4 299.6,252.4 299.6,152.4 101.6,152.4 101.6,160.6 99.3,162.9
  lines w0.381: 146.666,263.846 157.077,263.846 182.978,263.846 204.816,263.846 221.322,263.846 235.796,263.846 247.732,263.846 ; 146.666,266.894 157.077,266.894 182.978,266.894 204.816,266.894 221.322,266.894 235.796,266.894 247.732,266.894 ; 146.666,269.942 157.077,269.942 182.978,269.942 204.816,269.942 221.322,269.942 235.796,269.942 247.732,269.942 ; 146.666,272.99 157.077,272.99 182.978,272.99 204.816,272.99 221.322,272.99 235.796,272.99 247.732,272.99 ; 146.666,276.038 157.077,276.038 182.978,276.038 204.816,276.038 221.322,276.038 235.796,276.038 247.732,276.038 ; 146.666,279.086 157.077,279.086 182.978,279.086 204.816,279.086 221.322,279.086 235.796,279.086 247.732,279.086 ; 146.666,282.134 157.077,282.134 182.978,282.134 204.816,282.134 221.322,282.134 235.796,282.134 247.732,282.134 ; 146.666,285.182 157.077,285.182 182.978,285.182 204.816,285.182 221.322,285.182 235.796,285.182 247.732,285.182 ; 146.666,288.23 157.077,288.23 182.978,288.23 204.816,288.23 221.322,288.23 235.796,288.23 247.732,288.23 ; 146.666,291.278 157.077,291.278 182.978,291.278 204.816,291.278 221.322,291.278 235.796,291.278 247.732,291.278 ; 146.666,294.326 157.077,294.326 182.978,294.326 204.816,294.326 221.322,294.326 235.796,294.326 247.732,294.326 ; 146.666,297.374 157.077,297.374 182.978,297.374 204.816,297.374 221.322,297.374 235.796,297.374 247.732,297.374 ; 146.666,300.422 157.077,300.422 182.978,300.422 204.816,300.422 221.322,300.422 235.796,300.422 247.732,300.422 ; 146.666,303.47 157.077,303.47 182.978,303.47 204.816,303.47 221.322,303.47 235.796,303.47 247.732,303.47 ; 146.666,306.518 247.732,306.518 ; 157.077,309.566 157.077,260.798 ; 182.978,309.566 182.978,260.798 ; 204.816,309.566 204.816,260.798 ; 221.322,309.566 221.322,260.798 ; 235.796,309.566 235.796,260.798 ; 157.077,260.798 146.666,260.798 146.666,309.566 247.732,309.566 247.732,260.798 235.796,260.798 ; 157.077,260.798 182.978,260.798 ; 182.978,260.798 204.816,260.798 ; 204.816,260.798 221.322,260.798 ; 221.322,260.798 235.796,260.798
  text "Layer" at 148.444,307.28 h1.52
  text "Name" at 158.855,307.28 h1.52
  text "Material" at 184.756,307.28 h1.52
  text "Thickness" at 206.594,307.28 h1.52
  text "Constant" at 223.1,307.28 h1.52
  text "Gerber" at 237.574,307.28 h1.52
  text "TopOverlay" at 158.855,304.232 h1.52
  text "GTO" at 237.574,304.232 h1.52
  text "TopSolder" at 158.855,301.184 h1.52
  text "Solder Resist" at 184.756,301.184 h1.52
  text "0,022mm" at 206.594,301.184 h1.52
  text "3.5" at 223.1,301.184 h1.52
  text "GTS" at 237.574,301.184 h1.52
  text "1" at 148.444,298.136 h1.52
  text "TopLayer" at 158.855,298.136 h1.52
  text "0,053mm" at 206.594,298.136 h1.52
  text "GTL" at 237.574,298.136 h1.52
  text "Dielectric1" at 158.855,295.088 h1.52
  text "FR-4" at 184.756,295.088 h1.52
  text "0,110mm" at 206.594,295.088 h1.52
  text "4.2" at 223.1,295.088 h1.52
  text "2" at 148.444,292.04 h1.52
  text "MidLayer1" at 158.855,292.04 h1.52
  text "0,018mm" at 206.594,292.04 h1.52
  text "G1" at 237.574,292.04 h1.52
  text "Dielectric2" at 158.855,288.992 h1.52
  text "FR-4" at 184.756,288.992 h1.52
  text "0,200mm" at 206.594,288.992 h1.52
  text "4.2" at 223.1,288.992 h1.52
  text "3" at 148.444,285.944 h1.52
  text "MidLayer2" at 158.855,285.944 h1.52
  text "0,018mm" at 206.594,285.944 h1.52
  text "G2" at 237.574,285.944 h1.52
  text "Dielectric3" at 158.855,282.896 h1.52
  text "FR-4" at 184.756,282.896 h1.52
  text "0,730mm" at 206.594,282.896 h1.52
  text "4.2" at 223.1,282.896 h1.52
  text "4" at 148.444,279.848 h1.52
  text "SignalLayer1" at 158.855,279.848 h1.52
  text "0,018mm" at 206.594,279.848 h1.52
  text "G3" at 237.574,279.848 h1.52
  text "Dielectric4" at 158.855,276.8 h1.52
  text "FR-4" at 184.756,276.8 h1.52
  text "0,200mm" at 206.594,276.8 h1.52
  text "4.2" at 223.1,276.8 h1.52
  text "5" at 148.444,273.752 h1.52
  text "Internal Plane 1" at 158.855,273.752 h1.52
  text "0,018mm" at 206.594,273.752 h1.52
  text "GP1" at 237.574,273.752 h1.52
  text "Dielectric5" at 158.855,270.704 h1.52
  text "FR-4" at 184.756,270.704 h1.52
  text "0,110mm" at 206.594,270.704 h1.52
  text "4.2" at 223.1,270.704 h1.52
  text "6" at 148.444,267.656 h1.52
  text "BottomLayer" at 158.855,267.656 h1.52
  text "0,053mm" at 206.594,267.656 h1.52
  text "GBL" at 237.574,267.656 h1.52
  text "BottomSolder" at 158.855,264.608 h1.52
  text "Solder Resist" at 184.756,264.608 h1.52
  text "0,022mm" at 206.594,264.608 h1.52
  text "3.5" at 223.1,264.608 h1.52
  text "GBS" at 237.574,264.608 h1.52
  text "BottomOverlay" at 158.855,261.56 h1.52
  text "GBO" at 237.574,261.56 h1.52
  text "Total board thickness:" at 148.444,258.512 h1.52
  text "1,573mm" at 206.594,258.512 h1.52
Mechanical13:
  lines w0.1: 99.06,152.4 99.06,254.508
Mechanical 20:
  lines w0.125: 102.075,163.45 104.4,161.125 107.775,161.125 107.775,155.525 291.25,155.525 291.25,160.925 297.875,160.925 297.875,250.6 107.85,250.6 107.85,244.225 104,244.225 104,233.45 102.075,231.525 102.075,163.45

## Dimensions
101.092,157.912 to 101.6,152.4 on Mechanical4
105.156,151.892 to 101.6,152.4 on Mechanical4

## Text inside footprints (layer, text, board x,y; h text height)
IC4: Mechanical14 "AB" at 222.591,208.215 h0.6; Mechanical14 "AA" at 222.591,209.215 h0.6; Mechanical14 "Y" at 223.091,210.215 h0.6; Mechanical14 "W" at 223.091,211.215 h0.6; Mechanical14 "V" at 223.091,212.215 h0.6; Mechanical14 "U" at 223.091,213.215 h0.6; Mechanical14 "T" at 223.091,214.215 h0.6; Mechanical14 "R" at 223.091,215.215 h0.6; Mechanical14 "P" at 223.091,216.215 h0.6; Mechanical14 "N" at 223.091,217.215 h0.6; Mechanical14 "M" at 223.091,218.215 h0.6; Mechanical14 "L" at 223.091,219.215 h0.6; Mechanical14 "K" at 223.091,220.215 h0.6; Mechanical14 "J" at 223.091,221.215 h0.6; Mechanical14 "H" at 223.091,222.215 h0.6; Mechanical14 "G" at 223.091,223.215 h0.6; Mechanical14 "F" at 223.091,224.215 h0.6; Mechanical14 "E" at 223.091,225.215 h0.6; Mechanical14 "D" at 223.091,226.215 h0.6; Mechanical14 "C" at 223.091,227.215 h0.6; Mechanical14 "B" at 223.091,228.215 h0.6; Mechanical14 "A" at 223.091,229.215 h0.6; Mechanical14 "2" at 226.241,231.015 h0.6 r90; Mechanical14 "3" at 227.241,231.015 h0.6 r90; Mechanical14 "4" at 228.241,231.015 h0.6 r90; Mechanical14 "5" at 229.241,231.015 h0.6 r90; Mechanical14 "16" at 240.241,231.015 h0.6 r90; Mechanical14 "15" at 239.241,231.015 h0.6 r90; Mechanical14 "14" at 238.241,231.015 h0.6 r90; Mechanical14 "13" at 237.241,231.015 h0.6 r90; Mechanical14 "12" at 236.241,231.015 h0.6 r90; Mechanical14 "11" at 235.241,231.015 h0.6 r90; Mechanical14 "10" at 234.241,231.015 h0.6 r90; Mechanical14 "9" at 233.241,231.015 h0.6 r90; Mechanical14 "8" at 232.241,231.015 h0.6 r90; Mechanical14 "7" at 231.241,231.015 h0.6 r90; Mechanical14 "6" at 230.241,231.015 h0.6 r90; Mechanical14 "1" at 225.241,231.015 h0.6 r90; Mechanical14 "18" at 242.241,231.015 h0.6 r90; Mechanical14 "19" at 243.241,231.015 h0.6 r90; Mechanical14 "20" at 244.241,231.015 h0.6 r90; Mechanical14 "21" at 245.241,231.015 h0.6 r90; Mechanical14 "22" at 246.191,231.015 h0.6 r90; Mechanical14 "17" at 241.241,231.015 h0.6 r90
IC8: Mechanical14 "9" at 213.161,224.924 h0.4; Mechanical14 "8" at 212.361,224.924 h0.4; Mechanical14 "7" at 211.561,224.924 h0.4; Mechanical14 "3" at 208.361,224.924 h0.4; Mechanical14 "2" at 207.561,224.924 h0.4; Mechanical14 "1" at 206.761,224.924 h0.4; Mechanical14 "T" at 205.486,211.449 h0.4; Mechanical14 "J" at 205.486,217.049 h0.4; Mechanical14 "R" at 205.486,212.249 h0.4; Mechanical14 "P" at 205.486,213.049 h0.4; Mechanical14 "N" at 205.486,213.849 h0.4; Mechanical14 "B" at 205.486,222.649 h0.4; Mechanical14 "C" at 205.486,221.849 h0.4; Mechanical14 "D" at 205.486,221.049 h0.4; Mechanical14 "E" at 205.486,220.249 h0.4; Mechanical14 "F" at 205.486,219.449 h0.4; Mechanical14 "G" at 205.486,218.649 h0.4; Mechanical14 "H" at 205.486,217.849 h0.4; Mechanical14 "M" at 205.486,214.649 h0.4; Mechanical14 "K" at 205.486,216.249 h0.4; Mechanical14 "L" at 205.486,215.449 h0.4
J5: TopOverlay "30" at 270.042,210.755 h1.02 r270; Mechanical14 "30" at 270.042,210.755 h1.02 r270
J6: TopOverlay "30" at 281.967,210.755 h1.02 r270; Mechanical14 "30" at 281.967,210.755 h1.02 r270
J7: TopOverlay "30" at 270.042,161.155 h1.02 r270; Mechanical14 "30" at 270.042,161.155 h1.02 r270
J9: TopOverlay "30" at 173.282,161.163 h1.02 r270; Mechanical14 "30" at 173.282,161.163 h1.02 r270
J10: TopOverlay "30" at 185.402,161.163 h1.02 r270; Mechanical14 "30" at 185.402,161.163 h1.02 r270
J11: TopOverlay "30" at 197.521,161.163 h1.02 r270; Mechanical14 "30" at 197.521,161.163 h1.02 r270
J12: TopOverlay "30" at 209.641,161.163 h1.02 r270; Mechanical14 "30" at 209.641,161.163 h1.02 r270
J13: TopOverlay "30" at 221.76,161.163 h1.02 r270; Mechanical14 "30" at 221.76,161.163 h1.02 r270
J14: TopOverlay "30" at 233.88,161.163 h1.02 r270; Mechanical14 "30" at 233.88,161.163 h1.02 r270
J15: TopOverlay "30" at 245.999,161.163 h1.02 r270; Mechanical14 "30" at 245.999,161.163 h1.02 r270
J16: TopOverlay "30" at 258.117,161.155 h1.02 r270; Mechanical14 "30" at 258.117,161.155 h1.02 r270
J17: TopOverlay "30" at 281.967,161.155 h1.02 r270; Mechanical14 "30" at 281.967,161.155 h1.02 r270
J19: DrillDrawing "PRESS-FIT" at 121.4,171.505 h1; DrillDrawing "30x diam. 1.05mm +/-0.05" at 119.15,167.755 h1; DrillDrawing "TECHNOLOGY" at 120.65,169.755 h1; DrillDrawing "80x diam. 0.6mm +/-0.05" at 119.15,173.755 h1; Mechanical14 "T1" at 152.15,174.255 h1; Mechanical14 "B1" at 150.9,164.005 h1; Mechanical14 "B1" at 150.9,178.255 h1; Mechanical14 "T1" at 152.15,188.505 h1; Mechanical8 "Component and Trace Keep-Out / Except Cage Chassis Ground" at 112.65,165.005 h1 r90
J20: TopOverlay "1" at 289.425,244.6 h1.2 r270; Mechanical14 "1" at 289.425,244.6 h1.2 r270
J21: TopOverlay "1" at 240.19,243.503 h1 r180; Mechanical14 "1" at 240.19,243.503 h1 r180
J23: DrillDrawing "0.85" at 96.334,221.652 h1 r270; DrillDrawing "1.87" at 98.939,220.509 h1; DrillDrawing "r0.2" at 104.514,217.634 h1 r270; Mechanical8 "PCB end" at 98.175,224.45 h0.5 r270
J24: TopOverlay "1" at 125.234,247.996 h1.2 r180; Mechanical14 "1" at 125.234,247.996 h1.2 r180
J25: Mechanical8 "CENTER PIN" at 108.025,241.575 h0.5; Mechanical8 "SLEEVE SHUNT" at 106.925,233.65 h0.5; Mechanical8 "2.5mm" at 97.95,241.175 h1 r270
J26: Mechanical8 "CENTER PIN" at 293.25,236.45 h0.5 r180; Mechanical8 "SLEEVE SHUNT" at 294.35,244.375 h0.5 r180; Mechanical8 "2.5mm" at 303.325,236.85 h1 r90